# Altium PCB Test_SEAx.PcbDoc (part 2 of 2) (continued)
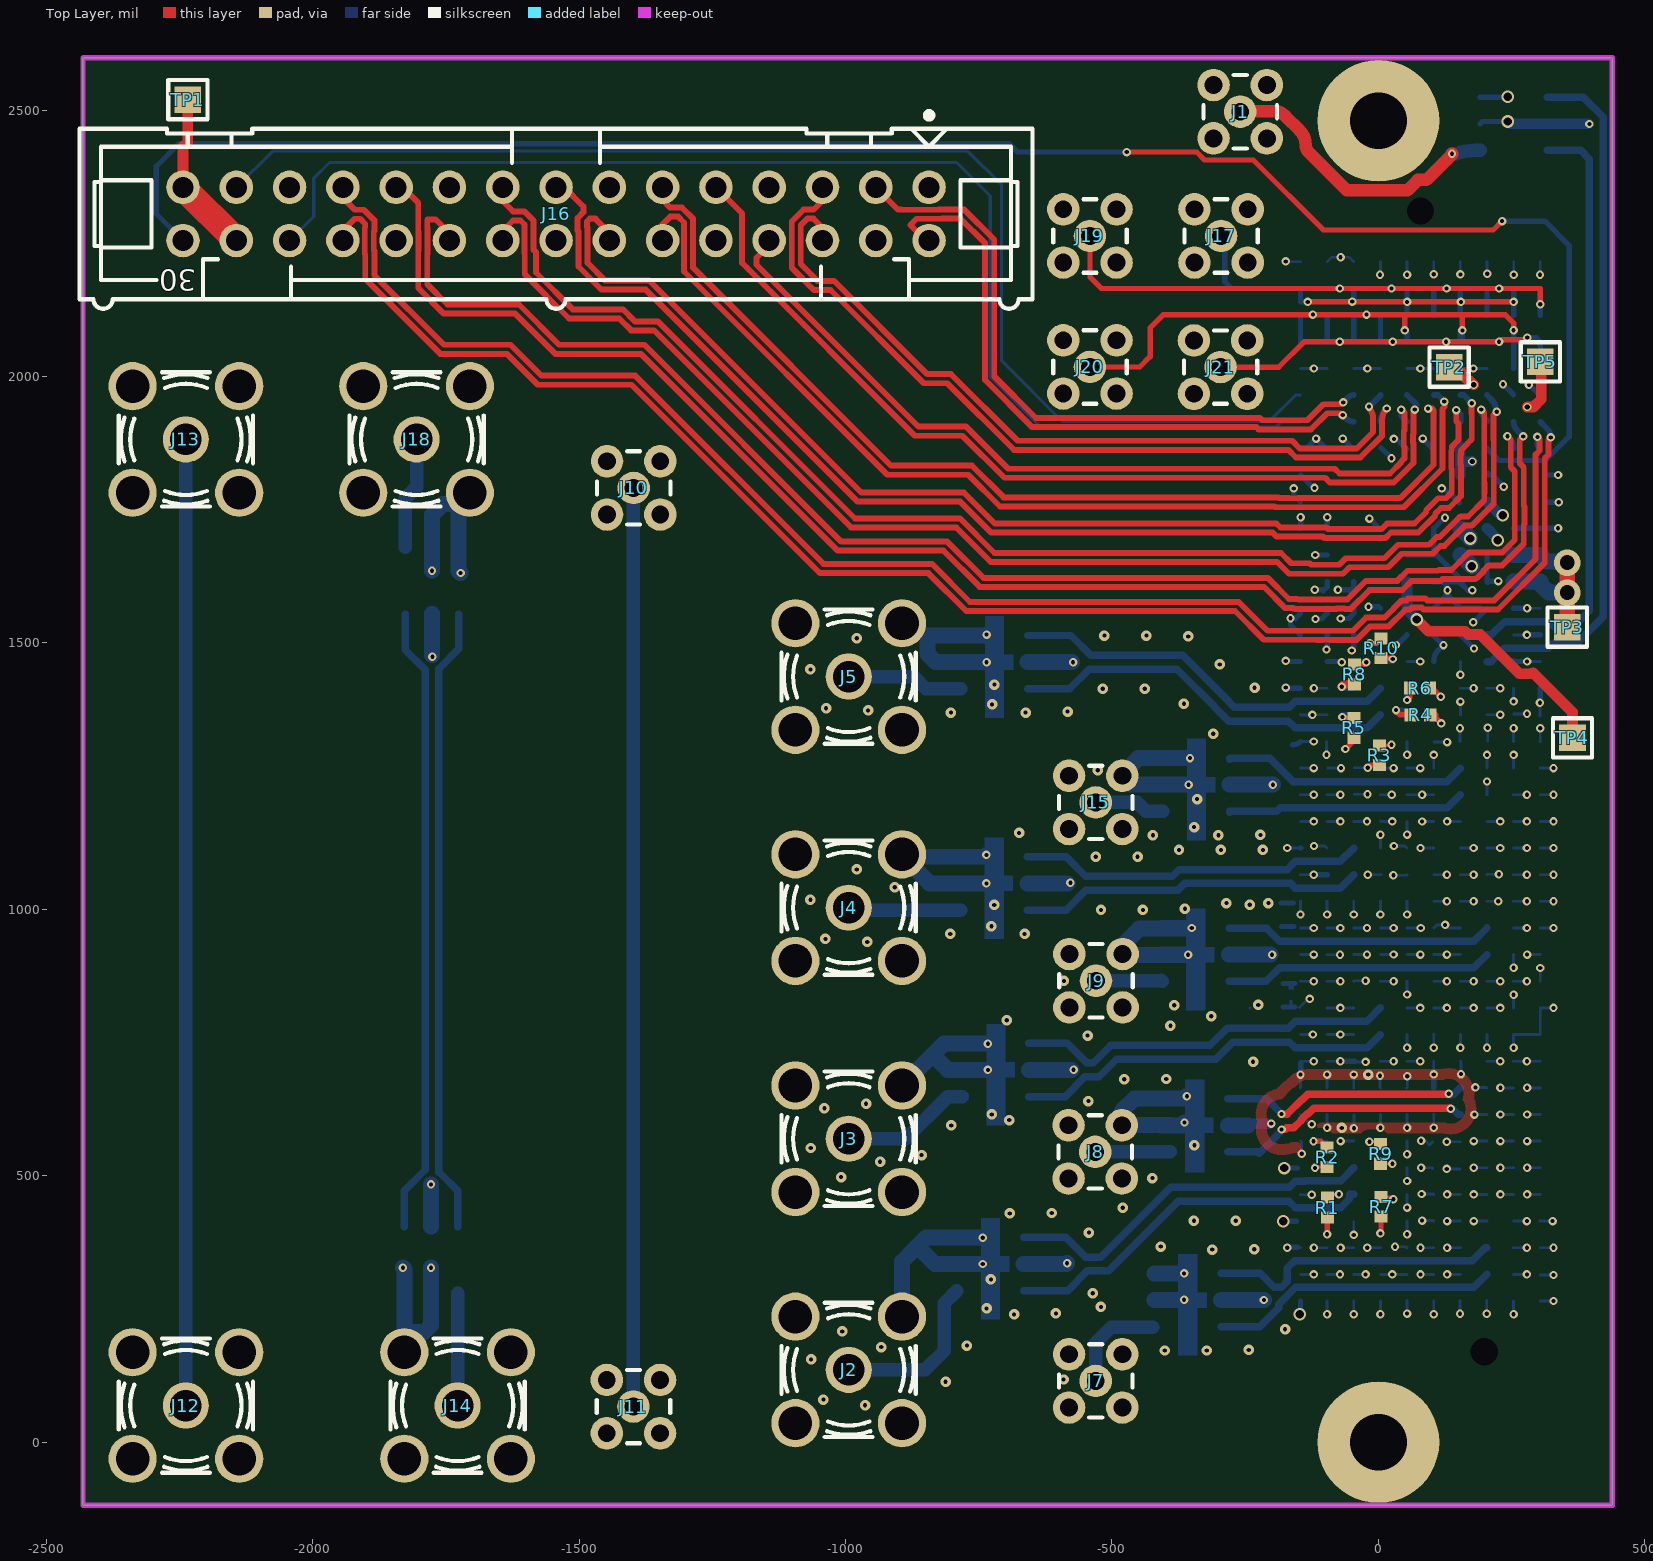
[diagram p0: Top Layer view]
## Nets (pads, with @x,y where several pads share a name; then routed paths per layer and width w, separated by ;. In a path a pad name is that pad's centre, name@x,y a point inside that pad or via, vN(x,y) a via of type N, cw(c..) or ccw(c..) an arc to the next point about the centre after c; other vN are vias at no path point) (continued)
LO_IN_P: C18.1 J6.c26 TR11.4 | length 1157.2
  Bottom Layer w14: J6.c26@203.74,1515.16 212,1515.16 236.6,1539.76 319.85,1539.76 334.26,1525.35 361.35,1525.35 395.97,1559.97 395.97,2408 379.57,2424.41 TR11.4@316.34,2424.41
LVDS0_N: J6.h35 J16.3 | length 1247
  Top Layer w11: J16.3@-943.31,2355.11 -901.45,2313.26 -896,2313.26 -895.86,2313.12 -825.91,2313.12 -825.77,2313.26 -777.22,2313.26 -721,2257.04 -721,2000.44 -642.56,1922 -222,1922 -217.92,1917.92 -133.42,1917.92 -103.3,1948.04 -74.39,1948.04 ccw(c-74.39,1959.99) v1(-65.94,1951.54)
  Bottom Layer w11: v1(-65.94,1951.54) J6.h35@-56.62,1960.87 ; J6.h35@-56.61,1960.88 cw(c-46.26,1950.51) J6.h35@-46.26,1965.16
LVDS0_P: J6.h34 J16.2 | length 1216.2
  Top Layer w11: J16.2@-843.31,2255.11 -849.11,2255.11 -878.5,2284.5 -866.88,2296.12 -818.87,2296.12 -818.73,2296.26 -784.26,2296.26 -738,2250 -738,1993.4 -649.6,1905 -229.04,1905 -224.96,1900.92 -126.38,1900.92 -96.26,1931.04 -75.38,1931.04 cw(c-75.38,1919.09) v1(-66.93,1927.54)
  Bottom Layer w11: v1(-66.93,1927.54) -60.4,1921.01 ccw(c-46.26,1935.15) -57.18,1918.4 ccw(c-46.26,1935.15) J6.h34@-46.26,1915.16
LVDS1_N: J6.g35 J16.6 | length 1461.4
  Top Layer w11: J16.6@-1043.31,2255.11 -1043.31,2279.57 -1060,2296.26 -1071.74,2296.26 -1084,2284 -1084,2211 -1052.4,2179.4 -1021.4,2179.4 -846.46,2004.46 -802.13,2004.46 -677.05,1879.38 -162,1879.38 -147.73,1865.1 -40.9,1865.1 -9.98,1896.02 -9.98,1920.87 ccw(c-39.76,1920.87) -18.7,1941.93 -17.79,1942.84 v1(-17.79,1943.63)
  Bottom Layer w11: v1(-17.79,1943.63) -17,1943.63 3.18,1963.81 ccw(c1.83,1965.16) J6.g35@3.74,1965.16
LVDS1_P: J6.g34 J16.5 | length 1540.2
  Top Layer w11: J16.5@-1043.31,2355.11 -1043.31,2329.95 -1060,2313.26 -1078.78,2313.26 -1101,2291.04 -1101,2203.96 -1059.44,2162.4 -1028.44,2162.4 -853.5,1987.46 -809.17,1987.46 -684.09,1862.38 -169.04,1862.38 -154.77,1848.1 -33.85,1848.1 7.02,1888.98 7.02,1918.9 cw(c36.81,1918.9) v1(15.75,1939.96)
  Bottom Layer w11: J6.g34@3.74,1915.16 cw(c34.62,1915.16) 12.78,1937 v1(15.75,1939.96)
LVDS2_N: J6.f35 J16.9 | length 1752.3
  Top Layer w11: J16.9@-1243.31,2349 J16.9@-1243.31,2355.11 -1194,2305.81 -1194,2212.96 -870.02,1888.98 -780.79,1888.98 -701.81,1810 -99.97,1810 -91.18,1801.2 28.86,1801.2 65.63,1837.96 65.63,1874.87 64.63,1875.87 64.63,1891.09 65.63,1892.09 65.63,1935.63 v1(68,1938)
  Bottom Layer w11: J6.f35@53.74,1965.16 72,1946.9 68,1942.9 v1(68,1938)
LVDS2_P: J6.f34 J16.8 | length 1567
  Top Layer w11: J16.8@-1143.31,2255.11 -1143.31,2246.69 -1167,2223 -1167,2210 -862.98,1905.98 -773.75,1905.98 -694.77,1827 -81.8,1827 -73,1818.2 21.82,1818.2 42.85,1839.23 42.85,1840.64 48.63,1846.42 48.63,1867.83 47.63,1868.83 47.63,1898.13 48.63,1899.13 48.63,1932.07 v1(42.91,1937.78)
  Bottom Layer w11: v1(42.91,1937.78) 42.91,1925.98 J6.f34@53.74,1915.16
LVDS3_N: J6.e35 J16.12 | length 1964.2
  Top Layer w11: J16.12@-1343.31,2255.11 -1343.31,2285.69 -1329,2300 -1314,2300 -1303,2289 -1303,2197 -921.75,1815.75 -769.87,1815.75 -710.32,1756.2 -195.11,1756.2 -193.54,1754.63 -80.17,1754.63 -80,1754.79 47.72,1754.79 120.23,1827.3 120.23,1936.62 cw(c127.83,1936.62) 122.45,1942 123.69,1943.24 v1(123.69,1952.87)
  Bottom Layer w11: J6.e35@103.74,1965.16 111.95,1965.16 122.45,1954.65 121.29,1953.49 122.14,1952.63 122.38,1952.87 v1(123.69,1952.87)
LVDS3_P: J6.e34 J16.11 | length 1929.5
  Top Layer w11: J16.11@-1343.31,2355.11 -1343.31,2331.31 -1329,2317 -1306.96,2317 -1286,2296.04 -1286,2204.04 -914.71,1832.75 -762.83,1832.75 -703.28,1773.2 -188.07,1773.2 -186.66,1771.79 -168.39,1771.79 -168.22,1771.63 -151.39,1771.63 -151.22,1771.79 40.68,1771.79 103.23,1834.34 103.23,1934.58 ccw(c95.62,1934.58) 101,1939.96 100.49,1940.47 99.76,1939.75 v1(93.13,1939.75)
  Bottom Layer w11: v1(93.13,1939.75) 99.73,1939.75 103.74,1935.74 J6.e34@103.74,1915.16
LVDS4_N: J6.d35 J16.15 | length 2298
  Top Layer w11: J16.15@-1543.31,2355.11 -1528.11,2355.11 -1492.02,2319.02 -1492.02,2308.28 -1503,2297.3 -1503,2274.2 -1501.31,2272.51 -1501.31,2206.31 -1458,2163 -1375.04,2163 -977.19,1765.16 -784.66,1765.16 -726.5,1707 -198.38,1707 -190.91,1699.53 -104.29,1699.53 -101.46,1696.7 12.99,1696.7 23.44,1707.15 74.85,1707.15 106.63,1738.93 106.63,1742.61 117.39,1753.37 132.61,1753.37 154.69,1775.45 154.69,1833.76 153.69,1834.76 153.69,1853.24 154.69,1854.24 154.69,1861.37 167.32,1874 167,1874.32 175,1882.32 175,1929.92 174.54,1930.38 174.54,1945.6 175,1946.06 v1(175,1950)
  Bottom Layer w11: J6.d35@153.74,1965.16 159.84,1965.16 v1(175,1950)
LVDS4_P: J6.d34 J16.14 | length 2194.6
  Top Layer w11: J16.14@-1443.31,2255.11 -1443.31,2270.08 -1469.49,2296.26 -1480,2296.26 -1485.31,2290.95 -1485.31,2280.55 -1484.31,2279.55 -1484.31,2213.35 -1450.96,2180 -1367.99,2180 -970.15,1782.16 -777.62,1782.16 -719.46,1724 -191.34,1724 -183.87,1716.53 -97.25,1716.53 -94.42,1713.7 5.95,1713.7 16.4,1724.15 67.81,1724.15 89.63,1745.97 89.63,1749.65 111.6,1771.63 126.61,1771.63 137.69,1782.7 137.69,1826.72 136.69,1827.72 136.69,1860.28 137.69,1861.28 137.69,1868.41 150,1880.72 150,1912 146,1916 v1(146,1937)
  Bottom Layer w11: v1(146,1937) 153.74,1929.26 J6.d34@153.74,1915.16
LVDS5_N: J6.c35 J16.18 | length 2484.5
  Top Layer w11: J16.18@-1643.31,2255.11 -1643.31,2273.69 -1624,2293 -1609.96,2293 -1602.3,2285.34 -1602.3,2230.68 -1602,2230.38 -1602,2192.12 -1518.88,2109 -1424.78,2109 -1402.39,2086.61 -1359.52,2086.61 -989.45,1716.53 -792.04,1716.53 -727.51,1652 -190.05,1652 -167.83,1629.78 -66.51,1629.78 -54.3,1642 18.29,1642 43.71,1667.42 102,1667.42 116.49,1681.91 123.78,1681.91 162.02,1720.15 175.12,1720.15 216.31,1761.34 216.31,1880.76 215.69,1881.39 215.69,1927.3 222,1933.61 v1(222,1934)
  Bottom Layer w11: J6.c35@203.74,1965.16 J6.c35@211.3,1957.6 ; J6.c35@211.32,1957.58 cw(c186.77,1933.07) 221.46,1933.07 222,1933.61 v1(222,1934)
LVDS5_P: J6.c34 J16.17 | length 2454.6
  Top Layer w11: J16.17@-1643.31,2355.11 -1643.31,2329.31 -1624,2310 -1602.92,2310 -1585.3,2292.39 -1585.3,2237.72 -1581,2233.42 -1581,2195.16 -1511.84,2126 -1417.74,2126 -1395.35,2103.61 -1352.48,2103.61 -982.41,1733.53 -785,1733.53 -720.46,1669 -183,1669 -163.53,1649.52 -128.88,1649.52 -126.14,1646.78 -73.55,1646.78 -61.34,1659 11.25,1659 36.66,1684.42 94.96,1684.42 109.45,1698.91 115,1698.91 152.24,1736.15 153.98,1736.15 154.98,1737.15 168.07,1737.15 198.69,1767.76 198.69,1781.13 199.31,1781.76 199.31,1800.24 198.69,1800.87 198.69,1932.22 v1(192.91,1937.99)
  Bottom Layer w11: v1(192.91,1937.99) ccw(c214.36,1937.99) 199.18,1922.84 203.74,1918.29 J6.c34@203.74,1915.16
LVDS6_N: J6.b34 J16.21 | length 2831.8
  Top Layer w11: J16.21@-1843.31,2355.11 -1831.11,2355.11 -1802,2326 -1802,2273.2 -1801.31,2272.51 -1801.31,2237.03 -1802,2236.34 -1802,2166 -1754,2118 -1620,2118 -1544.62,2042.62 -1384.3,2042.62 -1014.91,1673.23 -816.27,1673.23 -748.3,1605.26 -214.75,1605.26 -174.87,1565.37 -160.39,1565.37 -159.97,1564.95 -157.39,1564.95 -156.44,1564 -78.98,1564 -78.61,1564.37 -63.39,1564.37 -63.02,1564 -51.96,1564 -16.43,1599.53 45.16,1599.53 61.63,1616 116.43,1616 120.43,1620 181.63,1620 183.02,1621.39 184.44,1621.39 197.51,1634.46 197.51,1635.87 207.28,1645.64 232.36,1645.64 272.8,1686.08 272.8,1722.64 273.8,1723.64 273.8,1756.2 272.8,1757.2 272.8,1829.57 265.33,1837.04 265.33,1881.39 v1(271.65,1887.71)
  Bottom Layer w11: J6.b34@253.74,1915.16 ccw(c276.74,1915.16) 260.47,1898.89 v1(271.65,1887.71)
LVDS6_P: J6.b33 J16.20 | length 2739.1
  Top Layer w11: J16.20@-1743.31,2255.11 -1743.31,2268.68 -1769.63,2295 -1784,2295 -1785,2294 -1785,2280.24 -1784.31,2279.55 -1784.31,2229.99 -1785,2229.3 -1785,2173.04 -1746.96,2135 -1612.96,2135 -1537.58,2059.62 -1377.26,2059.62 -1007.86,1690.23 -809.23,1690.23 -741.26,1622.26 -207.71,1622.26 -167.82,1582.37 -153.35,1582.37 -152.93,1581.95 -150.35,1581.95 -150.02,1581.63 -58.37,1581.63 -23.47,1616.53 35.53,1616.53 54.51,1635.51 111.9,1635.51 113.39,1637 137,1637 152.89,1652.89 152.89,1652.94 165.96,1666.01 166.01,1666.01 170,1670 232.67,1670 255.8,1693.12 255.8,1822.53 248.33,1830 248.33,1881.47 v1(242,1887.8)
  Bottom Layer w11: 247.65,1882.14 cw(c232.97,1867.45) 253.18,1872.25 cw(c232.97,1867.45) 253.74,1867.45 J6.b33@253.74,1865.16
LVDS7_N: J6.a34 J16.24 | length 3010.6
  Top Layer w11: J16.24@-1943.31,2255.11 -1943.31,2273.69 -1921,2296 -1911,2296 -1901.3,2286.3 -1901.3,2280.55 -1902.3,2279.55 -1902.3,2229.68 -1901.3,2228.68 -1901.3,2183.3 -1760.62,2042.62 -1635.62,2042.62 -1577.69,1984.69 -1401.71,1984.69 -1048.12,1631.1 -844.61,1631.1 -773.51,1560 -269.04,1560 -215.07,1506.03 -116.28,1506.03 -116.13,1505.87 -105.19,1505.87 -105.03,1506.03 -89.81,1506.03 -89.65,1505.87 -40.81,1505.87 -16.1,1530.58 18.58,1530.58 51,1563 59.45,1563 62.76,1566.31 81.24,1566.31 84.55,1563 224.39,1563 312,1650.61 312,1846.42 319.22,1853.64 319.22,1881.83 v1(323.21,1885.83)
  Bottom Layer w11: J6.a34@303.74,1915.16 316.24,1902.65 cw(c299.42,1885.83) v1(323.21,1885.83)
LVDS7_P: J6.a33 J16.23 | length 2972
  Top Layer w11: J16.23@-1943.31,2355.11 -1943.31,2335.31 -1921,2313 -1903.96,2313 -1884.3,2293.34 -1884.3,2273.51 -1885.3,2272.51 -1885.3,2236.72 -1884.3,2235.72 -1884.3,2190.34 -1753.58,2059.62 -1628.58,2059.62 -1570.65,2001.69 -1394.67,2001.69 -1041.08,1648.1 -837.57,1648.1 -766.47,1577 -262,1577 -208.03,1523.03 -47.69,1523.03 -23.14,1547.58 11.54,1547.58 43.96,1580 52.41,1580 55.72,1583.31 88.28,1583.31 91.59,1580 217.34,1580 295,1657.66 295,1853.46 302.22,1860.68 302.22,1882.82 v1(298.23,1886.81)
  Bottom Layer w11: v1(298.23,1886.81) 298.23,1870.67 J6.a33@303.74,1865.16
MEZZ1_IO0: J6.a38 J6.a39 J6.c38 J6.c39 J6.e38 J6.e39 J6.g39 J6.j39 J19.1 | length 1210.5
  Top Layer w10: J19.1@-541.34,2263.78 -541.34,2186.54 -519.96,2165.16 v1(-72.34,2165.16) v1(24.47,2165.16) v1(127.95,2165.16) v1(226.38,2165.16) 303.74,2165.16 v1(303.74,2135.83)
  Bottom Layer w10: J6.j39@-96.26,2165.16 v1(-72.34,2165.16) v1@-68.9,2165.16 ; J6.g39@3.74,2165.16 v1(24.47,2165.16) v1@29.53,2165.16 ; J6.e38@103.74,2115.16 J6.e39@103.74,2165.16 v1(127.95,2165.16) ; J6.c38@203.74,2115.16 J6.c39@203.74,2165.16 v1(226.38,2165.16) ; J6.a38@303.74,2115.16 v1(303.74,2135.83) J6.a39@303.74,2165.16
MEZZ1_IO1: J6.b38 J6.b39 J6.d38 J6.d39 J6.f38 J6.f39 J6.h39 J6.k39 J17.1 | length 837.1
  Top Layer w10: v1(-132.76,2140.16) v1(53.74,2140.16) v1(154.69,2140.16) v1(253.74,2140.16)
  Bottom Layer w10: J17.1@-295.27,2263.78 -288.48,2256.98 -288.48,2178.05 -275.59,2165.16 J6.k39@-146.26,2165.16 -146.26,2140.16 v1(-132.76,2140.16) ; v1(-49.21,2140.63) -48.74,2140.63 -46.26,2143.11 J6.h39@-46.26,2165.16 ; J6.f38@53.74,2115.16 v1(53.74,2140.16) J6.f39@53.74,2165.16 ; J6.d38@153.74,2115.16 J6.d39@153.74,2165.16 ; J6.b38@253.74,2115.16 v1(253.74,2140.16) J6.b39@253.74,2165.16
MEZZ2_IO0: J6.a36 J6.a37 J6.c37 J6.e37 J6.g37 J6.g38 J6.j37 J6.j38 J21.1 | length 869.1
  Top Layer w10: J21.1@-296.23,2017.72 -187.01,2017.72 -139.57,2065.16 v1(-72.54,2065.16) v1(27,2065.16) v1(127.07,2065.16) v1(226.38,2065.16) 230.24,2069.02 275.2,2069.02 v1(279.21,2073.03)
  Bottom Layer w10: J6.j38@-96.26,2115.16 J6.j37@-96.26,2065.16 v1(-72.54,2065.16) ; J6.g38@3.74,2115.16 J6.g37@3.74,2065.16 v1(27,2065.16) ; J6.e37@103.74,2065.16 v1(127.07,2065.16) ; J6.c37@203.74,2065.16 v1(226.38,2065.16) ; v1(279.21,2073.03) 295.86,2073.03 296.88,2072.01 J6.a37@303.74,2065.16 J6.a36@303.74,2015.16
MEZZ2_IO1: J6.b36 J6.b37 J6.d37 J6.f37 J6.h37 J6.h38 J6.k37 J6.k38 J20.1 | length 1239
  Top Layer w10: J20.1@-541.34,2018 -447.88,2018 -428.48,2037.4 -428.48,2091.2 -403.54,2116.14 v1(-123,2116.14) v1(-22.44,2116.14) 53.74,2116.14 ; v1(49.21,2086.61) 49.21,2111.62 53.74,2116.14 ; v1(157.48,2086.61) 157.48,2112.4 153.74,2116.14 ; v1(253.74,2086.9) 253.74,2100.22 237.81,2116.14 153.74,2116.14 ; 53.74,2116.14 153.74,2116.14
  Bottom Layer w10: J6.k37@-146.26,2065.16 J6.k38@-146.26,2115.16 -145.28,2116.14 v1(-123,2116.14) ; J6.h37@-46.26,2065.16 J6.h38@-46.26,2115.16 -21.46,2115.16 v1(-22.44,2116.14) ; v1(49.21,2086.61) 53.74,2082.09 J6.f37@53.74,2065.16 ; v1@153.74,2086.61 J6.d37@153.74,2065.16 157.48,2068.9 v1(157.48,2086.61) ; J6.b36@253.74,2015.16 J6.b37@253.74,2065.16 v1(253.74,2086.9)
N6V0A: J6.f27 J6.f28 TP4.1 | length 492.3
  Top Layer w20: v3(72,1544) 94,1522 162.42,1522 168.51,1515.92 191.08,1515.92 264.72,1442.28 288.41,1442.28 290.12,1444 364.17,1369.95 TP4.1@364.17,1322.05
  Bottom Layer w20: J6.f28@53.74,1615.16 J6.f27@53.74,1565.16 53.74,1562.26 v3(72,1544)
N12V0A: J6.d32 J6.d33 TP2.1 | length 136.9
  Top Layer w20: TP2.1@132.61,2017.72 145.9,2017.72 155.28,2008.34 155.28,2005.68 168.67,1992.28 171.33,1992.28 v4(178.93,1984.69)
  Bottom Layer w20: J6.d32@153.74,1815.16 153.74,1840.16 ; J6.d33@153.74,1868.03 J6.d33@153.74,1865.16 153.74,1840.16 ; v4(176,1840.55) 175.61,1840.16 153.74,1840.16
NetJ1_1: J1.1 TR11.3 | length 548.7
  Top Layer w23.58: J1.1@-255.91,2498.03 -196.8,2498.03 cw(c-196.8,2467.2) -175,2489 -147.61,2461.61 cw(c-174.23,2435) -136.59,2435 ccw(c-116.28,2435) -130.65,2420.65 ; -130.64,2420.64 -59.35,2349.35 54.24,2349.35 73.89,2369 90,2369 138,2417 v1(138,2418)
  Bottom Layer w25.44: v1(138,2418) 145.91,2418 cw(c181.14,2324.41) 181.14,2424.41 TR11.3@191.14,2424.41
NetJ6_f23: J6.f23 R4.2 | length 56.1
  Top Layer w10: v1(33,1374) 33,1372.68 36,1369.68 40.52,1365.16 R4.2@60.24,1365.16
  Bottom Layer w10: v1(33,1374) 44.9,1374 48.9,1370 J6.f23@53.74,1365.16
NetJ6_f24: J6.f24 R6.2 | length 47
  Top Layer w10: v1(53.74,1392.9) 59.25,1398.41 R6.2@59.25,1415.35
  Bottom Layer w10: v1(53.74,1392.9) J6.f24@53.74,1415.16
NetJ6_g5: J6.g5 R7.2 | length 53
  Top Layer w5.3: R7.2@4.92,460.43 23.57,460.43 v1(28,456)
  Bottom Layer w5.3: J6.g5@3.74,465.16 12.9,456 v1(28,456)
NetJ6_g6: J6.g6 R9.2 | length 47.8
  Top Layer w5.3: R9.2@3.94,522.83 v1(26.17,522.83)
  Bottom Layer w5.3: J6.g6@3.74,515.16 11.41,522.83 v1(26.17,522.83)
NetJ6_g22: J6.g22 R3.2 | length 46.6
  Top Layer w5.3: R3.2@1.97,1307.87 23.29,1307.87 v1(24.47,1309.06)
  Bottom Layer w5.3: J6.g22@1.71,1311.16 3.81,1309.06 v1(24.47,1309.06)
NetJ6_g25: J6.g25 R10.2 | length 45
  Top Layer w10: R10.2@4.92,1471.65 23.35,1471.65 25,1470 v1(27,1470)
  Bottom Layer w10: J6.g25@4.66,1465.16 v1@26.93,1465.16
NetJ6_h23: J6.h23 R5.2 | length 44.3
  Top Layer w10: v1(-67.54,1361) -65.59,1359.06 R5.2@-46.26,1359.06
  Bottom Layer w10: v1@-68.53,1365.16 J6.h23@-46.26,1365.16
NetJ6_h24: J6.h24 R8.2 | length 47.8
  Top Layer w16: v1(-69,1418) -64.56,1422.44 R8.2@-45.28,1422.44
  Bottom Layer w10: v1@-67.54,1415 J6.h24@-45.28,1415
NetJ6_j5: J6.j5 R1.2 | length 48.3
  Top Layer w5.3: R1.2@-96,459.06 cw(c-80.37,443.43) -80.37,465.54 v1(-74.19,465.54)
  Bottom Layer w5.3: J6.j5@-99,465.54 v1(-74.19,465.54)
NetJ6_j6: J6.j6 R2.2 | length 46.2
  Top Layer w5.3: v1(-119,515) -117.5,516.5 R2.2@-96.26,516.5
  Bottom Layer w5.3: v1(-119,515) -96.42,515 J6.j6@-96.26,515.16
NetJ10_1: J10.1 J11.1 | length 1728.2
  Bottom Layer w25.43: J10.1@-1398,1791 -1398,77.2 J11.1@-1387.79,67
NetJ12_1: J12.1 J13.1 | length 1830.6
  Bottom Layer w25.43: J12.1@-2238,69 -2238,1879.92 J13.1@-2238,1899.61
NetJ14_1: J14.1 TR9.3 | length 197.4
  Bottom Layer w25.43: J14.1@-1728,82 TR9.3@-1728,279.4
NetJ18_1: J18.1 TR10.3 | length 211.1
  Bottom Layer w25.43: TR10.3@-1826,1679.6 -1826,1772 -1805,1793 J18.1@-1805,1882
P3V3: J6.c30 J6.c31 TP5.1 | length 173.1
  Top Layer w20: v4(279.53,1942.84) 291.07,1942.84 305.3,1957.08 305.3,2025.99 TP5.1@303.74,2027.56
  Bottom Layer w20: J6.c30@203.74,1715.16 224.03,1694.86 v3(224.03,1692.91) ; J6.c31@203.74,1765.16 228.9,1740 v3(233,1740)
P3V3_MP: J6.c33 J16.30 | length 3471.6
  Top Layer w10: J16.30@-2243.31,2246.26 J16.30@-2243.31,2255.11 ; v1(-472.44,2421.26) -340.95,2421.26 -326.18,2406.49 -234.9,2406.49 -103.45,2275.04 215.41,2275.04 v1(232,2291.63)
  Bottom Layer w10: J16.30@-2243.31,2255.11 -2293.6,2305.4 -2293.6,2394.4 -2251,2437 -693,2437 -677.26,2421.26 v1(-472.44,2421.26) ; J6.c33@203.74,1865.16 226.34,1842.56 313.1,1842.56 357.82,1887.28 357.82,2246.05 312.24,2291.63 v1(232,2291.63)
P6V0A: J6.a28 J6.a29 J6.b28 J6.b29 TP3.1 | length 309.5
  Top Layer w30: TP3.1@354.33,1547.1 v6(354.33,1594.49) v6@354.33,1638.78
  Bottom Layer w30: J6.b28@253.74,1615.16 J6.a28@303.74,1615.16 303.74,1610.3 319.55,1594.49 v6(354.33,1594.49) ; J6.b29@253.74,1665.16 J6.a29@303.74,1665.16 316.34,1652.56 v6@354.33,1652.56
  other v6: 354.33,1650.65
P12V0A: J6.d29 J6.d30 J16.28 J16.29 TP1.1 | length 366.8
  Top Layer w20: J16.29@-2243.31,2355.11 -2243.31,2430.81 -2234.25,2439.86 TP1.1@-2234.25,2519.69
  Top Layer w50: J16.29@-2243.31,2355.11 J16.28@-2143.31,2255.11
  Bottom Layer w30: J6.d29@153.74,1665.16 v3(175.2,1643.7) ; J6.d30@153.74,1715.16 172,1696.9 v3(172,1696)
SCL1: J6.k35 J16.27 | length 2449.1
  Bottom Layer w6: J16.27@-2143.31,2355.11 -2075.31,2423.11 -770.64,2423.11 -707.26,2359.73 -707.26,2029.46 -593.8,1916 -204.74,1916 -155.58,1965.16 J6.k35@-146.26,1965.16
SCL2: J6.j35
SDA1: J6.k34 J16.26 | length 2408.2
  Bottom Layer w6: J16.26@-2043.31,2255.11 -1998.03,2300.39 -1998.03,2372.05 -1968.5,2401.57 -791.21,2401.57 -728.42,2338.78 -728.42,1999.68 -633.73,1905 -192.77,1905 -182.62,1915.16 J6.k34@-146.26,1915.16
SDA2: J6.j34
TEST_SMA_N: C19.1 C22.1 TR9.6 TR10.4 | length 1181.4
  Bottom Layer w14: TR9.6@-1828,404.6 -1828,472.18 -1789.18,511 -1789,511 -1789,1449.82 -1826,1486.82 TR10.4@-1826,1554.4
TEST_SMA_P: C20.1 C21.1 TR9.4 TR10.6 | length 1179.6
  Bottom Layer w14: TR9.4@-1728,404.6 -1728,472.18 -1763,507.18 -1763,1451.82 -1726,1488.82 TR10.6@-1726,1554.4
VCM1: J6.f30
VCM2: J6.g29
pads on no net: J6.1 J6.2 J6.b31 J6.b32 J6.e31 J6.e32 J6.f32 J6.g28 J6.h29 J6.h30 J6.k28 J6.k29

## Polygon pours and split planes (outlines as drawn)
GND on Top Layer "Top Layer-GND" (solid, pour order 171): 226 vertices, not listed, extent -229.85,539.15 183.43,701.94
GND on Bottom Layer "Bottom Layer-GND 1" (solid, remove dead copper, pour order 193): 353 vertices, not listed, extent -600.9,44.82 256.49,417.83
GND on Bottom Layer "Bottom Layer-GND" (solid, pour order 195): -606.06,337.6 -610.08,337.6 -613.31,335.12 -614.46,334.65 -613.31,334.17 -612.88,333.84 -602.31,333.84
GND on Bottom Layer "Bottom Layer-GND 2" (solid, pour order 191): -352.81,671.62 -472.07,671.62 -491.14,652.55 -492.18,651.75 -493.04,650.77 -495.22,649.31 -497.19,647.59 -498.31,646.84 -499.5,646.04 -501.85,644.88 -504.02,643.43 -506.5,642.59 -508.85,641.43 -511.41,640.92 -513.89,640.08 -516.62,639.54 -519.23,639.37 -521.8,638.86 -523.11,638.94 -524.41,638.77 -531.51,638.77 -545.9,624.38 -546.06,623.16 -550.05,613.53 -550.71,612.68 -544.67,614.3 -536.7,615.34 -526.28,615.34 -518.32,614.3 -515.26,613.48 -508.25,611.6 -500.83,608.53 -500.83,608.52 -496.64,606.11 -491.81,603.32 -485.44,598.43 -485.44,598.42 -485.43,598.42 -484.89,597.88 -451.5,597.88 -450.41,598.33 -440.08,599.69 -375.12,599.69 -364.79,598.33 -355.16,594.34 -346.9,588 -345,585.53 -343.1,588 -334.84,594.34 -333.69,594.82 -334.84,595.29 -343.1,601.64 -349.45,609.9 -353.43,619.53 -354.79,629.86 -354.79,659.78 -353.43,670.11
GND on Bottom Layer "Bottom Layer-GND 3" (solid, pour order 189): -604.48,698.88 -604.62,698.82 -604.56,698.79
GND on Bottom Layer "Bottom Layer-GND 4" (solid, pour order 187): 168 vertices, not listed, extent 84.15,562.49 206.49,717.83
GND on Bottom Layer "Bottom Layer-GND 5" (solid, pour order 185): -154.02,843.51 -165.95,843.51 -175.7,833.77 -176.22,832.52 -174.11,833.23 -171.77,834.39 -169.2,834.9 -166.73,835.74 -163.99,836.28 -161.38,836.45 -158.82,836.96 -157.51,836.88 -156.21,837.05 -44.16,837.05 -43.93,837.73 -42.47,839.9 -41.32,842.25 -40.61,843.3 -150.79,843.3 -152.09,843.47 -153.4,843.39
GND on Bottom Layer "Bottom Layer-GND 6" (solid, pour order 183): -227.38,915.79 -227.83,915.44 -228.98,914.97 -227.98,914.55 -227.06,915.48
GND on Bottom Layer "Bottom Layer-GND 7" (solid, pour order 181): -604.42,1050.79 -606.34,1049.31 -607.49,1048.84 -606.34,1048.36 -604.55,1046.98 -602.58,1048.95
GND on Bottom Layer "Bottom Layer-GND 8" (solid, pour order 179): -474.9,1147.91 -483.95,1147.91 -484.5,1147.36 -490.87,1142.47 -499.9,1137.26 -507.32,1134.19 -517.38,1131.49 -525.35,1130.44 -535.77,1130.44 -543.73,1131.49 -549.13,1132.94 -553.55,1134.12 -553.05,1133.47 -552.36,1131.8 -529.44,1108.88 -406.27,1108.88 -406.24,1108.9 -405.38,1109.89 -403.2,1111.34 -401.24,1113.07 -400.12,1113.82 -398.92,1114.61 -396.57,1115.77 -394.4,1117.22 -391.92,1118.07 -389.58,1119.22 -387.01,1119.73 -384.53,1120.57 -381.8,1121.12 -379.19,1121.29 -376.63,1121.8 -375.32,1121.71 -374.02,1121.88 -190.86,1121.88 -189.48,1123.27 -188.44,1124.07 -187.57,1125.05 -185.4,1126.51 -183.43,1128.23 -182.31,1128.98 -181.11,1129.78 -178.77,1130.94 -176.59,1132.39 -174.11,1133.23 -171.77,1134.39 -169.2,1134.9 -166.73,1135.74 -163.99,1136.28 -161.38,1136.45 -158.82,1136.96 -157.51,1136.88 -156.21,1137.05 -94.16,1137.05 -93.93,1137.73 -92.47,1139.9 -91.32,1142.25 -90.47,1143.51 -167.3,1143.51 -168.2,1143.06 -170.38,1141.61 -172.86,1140.77 -175.2,1139.61 -177.77,1139.1 -180.25,1138.26 -182.98,1137.72 -185.59,1137.55 -186.47,1137.37 -189.66,1134.92 -199.28,1130.94 -209.61,1129.58 -236.39,1129.58 -239.88,1130.04 -246.79,1129.13 -311.75,1129.13 -322.08,1130.49 -331.71,1134.47 -339.97,1140.82 -341.87,1143.29 -343.76,1140.82 -352.03,1134.47 -361.66,1130.49 -371.99,1129.13 -436.95,1129.13 -447.28,1130.49 -456.9,1134.47 -461.21,1137.78 -463.35,1138.83 -467.55,1141.65 -469.52,1143.37 -471.7,1144.82 -472.56,1145.81 -473.6,1146.61
GND on Bottom Layer "Bottom Layer-GND 9" (solid, pour order 177): -222.97,1236.16 -224.64,1236.16 -226.83,1234.47 -227.98,1234 -226.83,1233.52 -224.64,1231.84 -218.65,1231.84
GND on Bottom Layer "Bottom Layer-GND 10" (solid, pour order 175): -596.49,1466.95 -602.74,1466.95 -605.97,1464.47 -607.11,1464 -605.97,1463.52 -605.07,1462.84 -597.38,1462.84 -594.88,1465.34
GND on Bottom Layer "Bottom Layer-GND 11" (solid, remove dead copper, pour order 173): 2011 vertices, not listed, extent -1077.35,52.65 256.49,1569.42
GND on GND (split plane): 418.88,-98.01 -2411.01,-98.01 -2411.01,2578.33 418.88,2578.33
GND on Power (split plane): 418.88,-98.01 -2411.01,-98.01 -2411.01,2578.33 418.88,2578.33
P12V0A on Power (split plane): -2091.71,2386.36 -2091.71,2214.57 -2091.32,2212.62 -2090.22,2210.96 -2011.05,2131.79 -2009.39,2130.68 -2007.44,2130.3 -858.06,2130.3 -554.87,1827.1 -553.22,1826 -551.27,1825.61 118.83,1825.61 124.35,1820.1 153.88,1790.57 198.64,1745.8 198.64,1635.97 182.31,1619.64 -578.97,1619.64 -1000.33,2041.01 -1001.99,2042.11 -1003.94,2042.5 -2153.83,2042.5 -2307.89,2196.56 -2307.89,2409.31 -2291.18,2426.02 -2131.37,2426.02
P3V3 on Power (split plane): 309.86,1946.2 309.86,1859.4 252.3,1801.83 251.2,1800.18 250.81,1798.23 250.81,1680.18 229.27,1658.64 208.84,1658.64 208.84,1747.92 208.45,1749.87 207.34,1751.52 167.02,1791.84 246.6,1871.42 247.71,1873.07 248.1,1875.02 248.1,1958.67 252.83,1963.41 292.66,1963.41
N12V0A on Power (split plane): 242.05,1970.91 242.15,1970.41 243.25,1968.76 243.56,1968.55 239.4,1964.39 238.29,1962.74 237.9,1960.79 237.9,1877.14 160.04,1799.27 159.59,1799.27 131.56,1827.31 126.04,1832.82 126.04,2001.52 134.58,2010.06 202.9,2010.06

## Keep-outs
Keep-Out Layer:
  lines w10: 438.97,2598.42 438.97,2598.42 ; 438.97,2598.42 -2431.1,2598.42 -2431.1,-118.11 438.97,-118.11 438.97,2598.42

## Other copper
Top Layer:
  pour cut-out: 156 vertices and 0 holes, not listed, extent -209.51,559.49 163.09,681.89
Bottom Layer:
  drawing of 35 lines, arcs and shapes, not listed
Power (plane layer: these items are gaps in the copper):
  lines w10: 127.95,1823.7 157.48,1794.17 162.15,1794.17 243,1875.02 243,1960.79 250.72,1968.5 294.77,1968.5 314.96,1948.31 314.96,1857.28 255.91,1798.23 255.91,1678.06 231.39,1653.54 203.74,1653.54 ; 246.86,1972.36 246.86,1973.31 205.01,2015.16 132.47,2015.16 120.94,2003.63 120.94,1830.71 ; 120.94,1830.71 -551.27,1830.71 -855.95,2135.39 -2007.44,2135.39 -2086.61,2214.57 -2086.61,2388.47 -2129.26,2431.12 -2293.29,2431.12 -2312.99,2411.42 -2312.99,2194.45 -2155.94,2037.4 -1003.94,2037.4 -581.08,1614.54 184.42,1614.54 203.74,1633.86 203.74,1747.92 120.94,1830.71

## Silkscreen, mask and mechanical layers (free items; w line width, h text height)
Top Solder:
  lines w40: -258.87,2495 -195.56,2495 cw(c-195.56,2457.44) -169,2484 -144.07,2459.07 cw(c-161.14,2442) -137,2442 ccw(c-112.86,2442) -129.93,2424.93 -56,2351 ccw(c-53.59,2353.41) -53.59,2350 20,2350 ccw(c20,2470.71) 105.36,2385.36 139,2419
  lines w50: -147.76,641 135.41,641 cw(c135.41,640.76) 135.58,640.93
Bottom Solder:
  rectangle: 328.54,2417 418,2535
  lines w50: -2242,1885 -2242,73 -2238,69 ; -1826,1742 -1826,1774 -1803,1797 -1803,1892 ; -1776,517 -1776,1454 ; -1728,214 -1727,61.29 ; -1400,1682 -1400,1775 ; -1398,1696 -1398,64 -1397,63 ; -1000,569.6 -889.4,569.6 -839.5,619.5 ; -999,1447 -879,1447 -845,1413 -848,1413 ; -996,999 -846,998 ; -995,141 -842,141 -814.88,168.12 -814.88,237 ; -563,335 -513,335 -382.84,465.16 -190,465.16 ; -557,1467 -374,1467 -274,1367 -199,1367 ; -547,697 -533,697 -498,732 -313,732 -281.87,763.13 -183.87,763.13
Mechanical 1:
  the board outline again, w5
Mechanical 8:
  circle w3.94: c-3064.96,98.42 r53.15
  circle w3.94: c-3064.96,2324.8 r53.15
  circle w3.94: c-3064.96,155.51 r53.15
  circle w3.94: c-3064.96,2381.89 r53.15
  circle w3.94: c0,0 r53.15
  circle w3.94: c0,2480.31 r53.15
  circle w3.94: c-41.34,169.29 r25.59
  circle w3.94: c0,0 r114.17
  circle w3.94: c0,2480.31 r114.17
  circle w3.94: c78.74,2311.02 r25.59
  lines w3.94: -3104.33,98.42 -3064.96,98.42 ; -3104.33,155.51 -3064.96,155.51 ; -3104.33,2324.8 -3064.96,2324.8 ; -3104.33,2381.89 -3064.96,2381.89 ; -3064.96,59.05 -3064.96,98.42 ; -3064.96,116.14 -3064.96,155.51 ; -3064.96,137.79 -3064.96,98.42 ; -3064.96,194.88 -3064.96,155.51 ; -3064.96,2285.43 -3064.96,2324.8 ; -3064.96,2342.52 -3064.96,2381.89 ; -3064.96,2364.17 -3064.96,2324.8 ; -3064.96,2421.26 -3064.96,2381.89 ; -3025.59,98.42 -3064.96,98.42 ; -3025.59,155.51 -3064.96,155.51 ; -3025.59,2324.8 -3064.96,2324.8 ; -3025.59,2381.89 -3064.96,2381.89 ; -80.71,169.29 -41.34,169.29 ; -41.34,129.92 -41.34,169.29 ; -41.34,208.66 -41.34,169.29 ; -39.37,0 0,0 ; -39.37,2480.31 0,2480.31 ; -1.97,169.29 -41.34,169.29 ; 0,-39.37 0,0 ; 0,39.37 0,0 ; 0,2440.94 0,2480.31 ; 0,2519.68 0,2480.31 ; 39.37,0 0,0 ; 39.37,2311.02 78.74,2311.02 ; 39.37,2480.31 0,2480.31 ; 78.74,2271.65 78.74,2311.02 ; 78.74,2350.39 78.74,2311.02 ; 118.11,2311.02 78.74,2311.02 ; 263.78,2216.53 303.15,2216.53 ; 303.15,2177.16 303.15,2216.53 ; 303.15,2255.9 303.15,2216.53 ; 342.52,2216.53 303.15,2216.53
Drill Drawing:
  lines w3.94: -2698.82,-55.12 -2659.45,-55.12 ; -2659.45,-94.49 -2659.45,-55.12 ; -2659.45,-15.75 -2659.45,-55.12 ; -2620.08,-55.12 -2659.45,-55.12 ; -2509.84,2507.87 -2470.47,2507.87 ; -2470.47,2468.5 -2470.47,2507.87 ; -2470.47,2547.24 -2470.47,2507.87 ; -2431.1,2507.87 -2470.47,2507.87

## Text inside footprints (layer, text, board x,y; h text height)
J6: Bottom Overlay "1" at 371.56,244.49 h39.37; Bottom Overlay "40" at 293.74,2275.16 h47.24; Bottom Overlay "k" at -138.44,59.49 h39.37; Bottom Overlay "j" at -88.44,59.49 h39.37; Bottom Overlay "g" at 16.56,64.49 h39.37; Bottom Overlay "h" at -36.26,60.16 h39.37; Bottom Overlay "f" at 61.56,54.49 h39.37; Bottom Overlay "a" at 318.74,60.16 h39.37; Bottom Overlay "b" at 268.74,60.16 h39.37; Bottom Overlay "c" at 218.74,60.16 h39.37; Bottom Overlay "d" at 172.92,59.49 h39.37; Bottom Overlay "e" at 111.66,61.05 h39.37; Mechanical 14 "1" at 371.56,244.49 h39.37; Mechanical 14 "40" at 293.74,2275.16 h47.24; Mechanical 14 "k" at -138.44,59.49 h39.37; Mechanical 14 "j" at -88.44,59.49 h39.37; Mechanical 14 "g" at 16.56,64.49 h39.37; Mechanical 14 "h" at -36.26,60.16 h39.37; Mechanical 14 "f" at 61.56,54.49 h39.37; Mechanical 14 "e" at 111.66,61.05 h39.37; Mechanical 14 "d" at 172.92,59.49 h39.37; Mechanical 14 "c" at 218.74,60.16 h39.37; Mechanical 14 "b" at 268.74,60.16 h39.37; Mechanical 14 "a" at 318.74,60.16 h39.37
J16: Top Overlay "30" at -2218.31,2200.11 h40 r180; Mechanical 14 "30" at -2218.31,2200.11 h40 r180